# KiCad board N2360.kicad_pcb (continued)
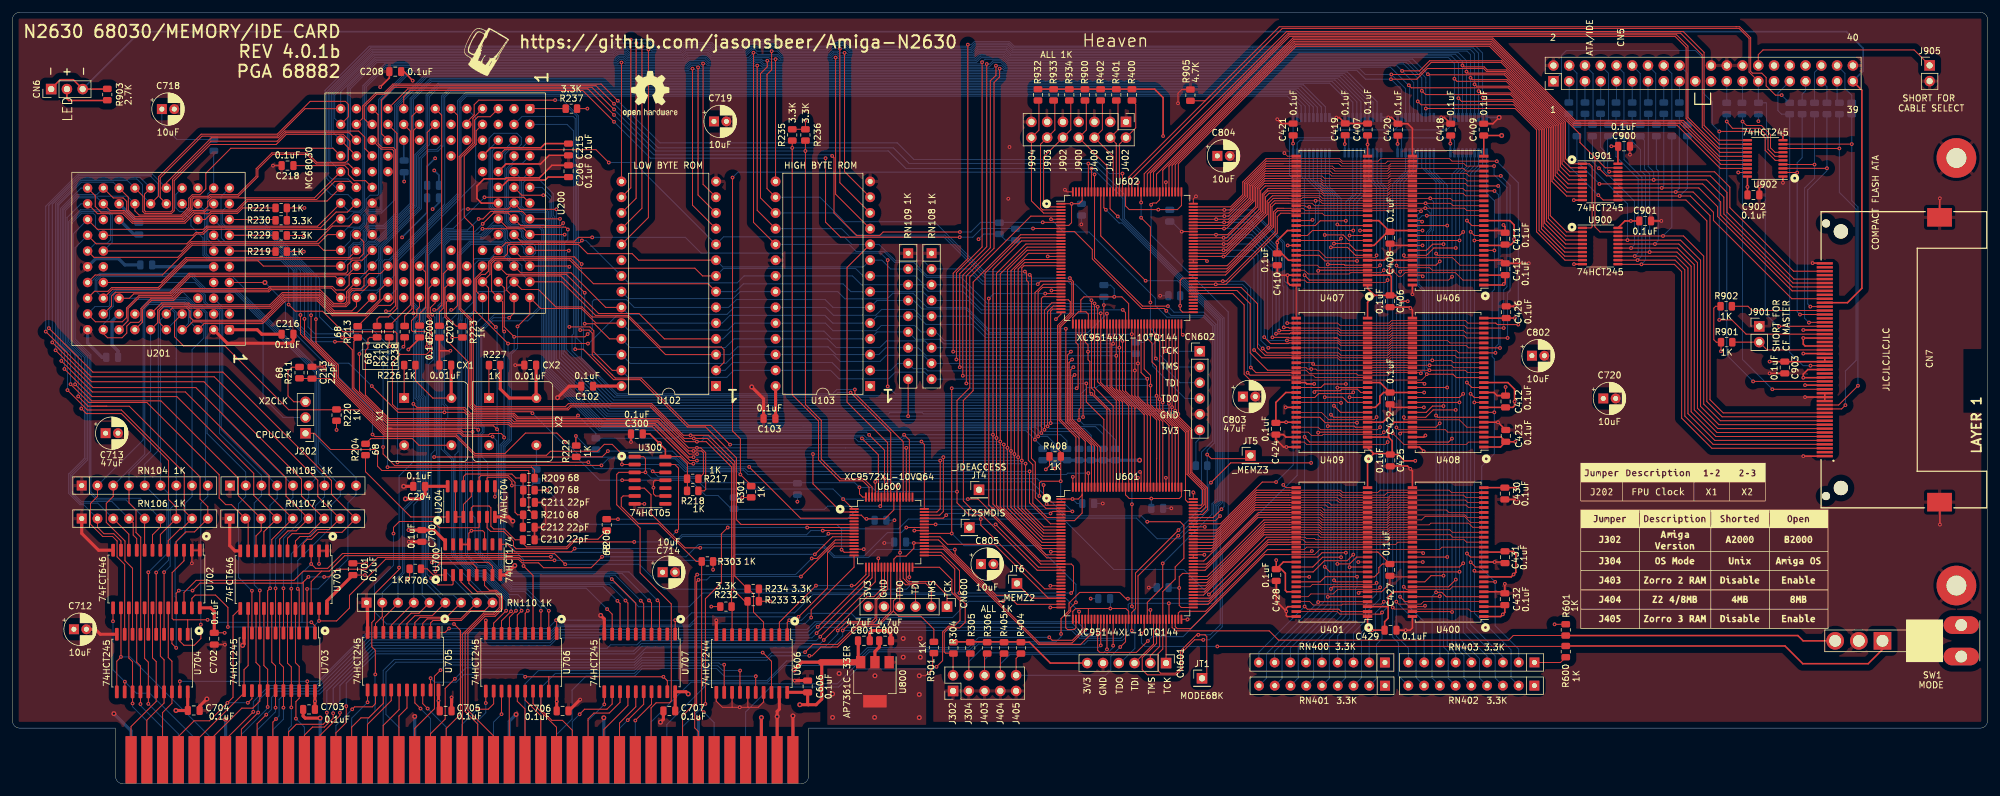
[diagram p0: board, top side]
## Routing (per net, layer and track width the routed paths; a pad name or vN(x,y) marks a point on that pad's centre or on a via; arc(x,y) is an arc through that point) (continued)
  Bottom w0.15: v1(53.81,12.49) 53.81,16.2 58.54,20.94 100.24,20.94 101.47,22.17 131.06,22.17 133.03,24.14 v1(133.03,24.7)
_ADOEH: length 120
  Top w0.15: U701.21 46.89,32.53 ; v1(47.71,33.36) 46.71,32.35 30.24,32.35 v1(29.03,31.15) ; v1(26.82,31.15) 26.39,30.71 U702.21 ; v1(87.37,36.04) 82.1,36.04 81.65,36.48 58.87,36.48 56.99,34.6 52.27,34.6 51.03,33.36 v1(50.25,33.36) ; v1(129.34,37) 132.17,39.83 U600.10
  Bottom w0.15: v1(29.03,31.15) v1(26.82,31.15) ; v1(87.37,36.04) 115.59,36.04 116.55,37 v1(129.34,37) ; v1(47.71,33.36) v1(50.25,33.36)
_ADOEL: length 124.2
  Top w0.15: U704.19 v1(26.99,16.51) ; U600.13 132.46,38.33 131.37,37.24 131.37,31.58 v1(126.7,26.91) ; v1(47.53,16.51) 47.53,15.03
  Bottom w0.15: v1(126.7,26.91) 110.43,26.91 109.1,25.58 87.77,25.58 86.59,24.4 57.21,24.4 57.19,24.41 49.29,16.51 v1(47.53,16.51) v1(26.99,16.51)
_AS: length 235.2
  Top w0.15: v1(109.78,52.69) 109.03,52.69 103.59,58.12 80.66,58.12 80.18,58.59 60.66,58.59 55.94,63.31 v1(55.94,69.34) ; v1(150.05,52.68) 150.05,43.91 149.47,43.33 U600.46 ; R212.1 v1(60.73,70.59) ; U601.12 166.22,40.43 162.1,44.55 162.1,52.68 ; U602.20 163.15,84.08 162.11,83.04 v1(162.11,52.69) ; U201.43 42.29,91.03
  Bottom w0.15: v1(109.78,52.69) v1(162.11,52.69) ; U201.43 40.01,91.03 49.5,81.54 49.5,75.33 51.55,73.28 58.04,73.28 v1(60.73,70.59) 60.2,70.05 56.37,70.05 55.94,69.62 v1(55.94,69.34)
_AVEC: length 156.2
  Top w0.15: 73.23,106.75 74.43,107.94 74.43,109.56 75.17,110.3 v1(87.47,110.3) ; v1(91.52,73.19) 92.96,73.19 93.46,72.7 93.46,69.16 96.71,65.91 96.71,65.9 97.17,65.44 101.37,65.44 109.01,57.8 112.57,57.8 v1(115.67,54.7) ; v1(159.79,54.72) 159.79,44.48 165.84,38.43 U601.16
  Bottom w0.15: v1(87.47,110.3) 88.72,110.3 91.23,107.79 91.23,73.48 v1(91.52,73.19) ; v1(115.67,54.7) 159.77,54.7 v1(159.79,54.72)
_BERR: length 194.6
  Top w0.15: v1(63.02,70.5) 63.22,70.7 R238.1 ; v1(62.07,51.85) v1(92.83,51.87) ; U600.64 137.05,46.24 136.53,46.75 v1(136.53,47.8) ; U300.12 103.37,50.22 v1(103.2,50.39) ; U601.24 165.18,34.43 156.23,43.37 154.19,43.37 152.25,45.31 v1(152.25,47.11) 152.25,61.83 154.31,63.89 154.31,81.74 164.15,91.58 U602.5
  Bottom w0.15: v1(152.25,47.11) 139.25,47.11 138.56,47.8 v1(136.53,47.8) 135.78,48.55 111.14,48.55 110.13,49.56 104.04,49.56 v1(103.2,50.39) 102.77,50.82 93.88,50.82 v1(92.83,51.87) ; v1(63.02,70.5) 62.07,69.55 v1(62.07,51.85)
_BG: length 110.3
  Top w0.15: v1(90.71,70.1) 91.97,70.1 96.89,65.18 101.17,65.18 108.81,57.54 111.73,57.54 116.7,52.58 116.7,42.58 117.45,41.83 U600.6
  Bottom w0.15: U200.15 82.15,107.68 90.37,107.68 90.71,107.34 v1(90.71,70.1)
_BGACK: length 271.3
  Top w0.15: v1(170.65,30.75) 171.02,31.13 171.02,35.09 170.69,35.43 U601.22 165.78,35.43 157.37,43.83 155.06,43.83 153.27,45.62 153.27,61.83 154.85,63.41 154.85,80.93 162.5,88.58 U602.11 ; v1(152.66,30.76) 152.66,34.37 149.7,37.33 U600.34
  Bottom w0.15: 75.65,57.91 76.01,57.57 75.65,57.94 ; 75.65,57.91 75.65,72.94 77.38,74.68 83.06,74.68 85.08,76.7 85.08,87.42 84.85,87.65 83,87.65 82.31,88.34 82.31,89.13 81.51,89.93 80.35,89.93 79.65,90.64 79.65,92.01 79.19,92.47 77.71,92.47 77.09,93.1 77.09,102.61 U200.29 ; 75.65,57.91 76.01,57.55 76.01,56.71 75.65,56.35 75.65,52.76 76.61,51.8 76.61,36.56 80.78,32.39 97.09,32.39 100.93,28.54 109.07,28.54 111.29,30.76 v1(152.66,30.76) 170.64,30.76 v1(170.65,30.75)
_BOSS: length 136.3
  Top w0.15: U300.1 101.71,52.76 102.03,52.45 v1(102.03,50.23) 97.73,50.23 97.41,49.91 97.41,45.01 101.17,41.24 101.17,34.01 106.19,28.99 106.19,13.32 105.91,13.04 103.76,13.04 102.94,12.22 CN700.20 ; v1(154,45.91) 155.66,45.91 165.65,35.93 U601.21 ; 135.48,44.33 v1(133.89,45.91)
  Bottom w0.15: v1(154,45.91) v1(133.89,45.91) 132.26,47.54 111.78,47.54 110.03,49.3 102.97,49.3 v1(102.03,50.23)
_BR: length 120.5
  Top w0.15: U600.52 143.57,55.18 135.79,62.96 v1(135.79,63.6) ; R237.1 83.4,108.93
  Bottom w0.15: v1(135.79,63.6) 132.87,63.6 132.17,62.9 97.51,62.9 91.71,68.69 91.71,71.12 90.97,71.85 90.97,107.68 89.73,108.92 U200.1
_C1: length 58.5
  Top w0.15: CN700.16 108.02,10.95 110.03,12.96 110.03,33.39 v1(110.37,33.73) ; v1(128.83,36.33) 129.65,36.33 132.65,39.33 U600.11
  Bottom w0.15: v1(128.83,36.33) 126.23,33.73 v1(110.37,33.73)
_C3: length 57.1
  Top w0.15: v1(110.59,32.88) 110.29,32.58 110.29,12.85 109.98,12.54 109.98,8.99 110.56,8.4 CN700.14 ; U600.12 132.52,38.83 v1(127.1,33.41)
  Bottom w0.15: v1(127.1,33.41) 112.44,33.41 111.91,32.88 v1(110.59,32.88)
_CBACK: length 124.7
  Top w0.15: v1(131.07,100.93) 131.07,90.61 133.5,88.18 v1(152.7,88.18) ; U200.75 63.07,110.85 64.08,111.85 91.92,111.85 v1(96.97,106.8) ; U602.9 v1(164.51,89.58)
  Bottom w0.15: v1(96.97,106.8) 102.85,100.93 v1(131.07,100.93) ; v1(164.51,89.58) 156.19,89.58 154.79,88.18 v1(152.7,88.18)
_CBREQ: length 125.7
  Top w0.15: v1(96.97,107.9) 92.76,112.11 63.73,112.11 U200.81 ; v1(132.13,101.29) 132.43,101 132.43,92.13 136.1,88.45 139.78,88.45 140.34,89.01 v1(152.72,89.01) ; v1(166.07,90.58) U602.7
  Bottom w0.15: v1(96.97,107.9) 103.4,101.47 131.95,101.47 v1(132.13,101.29) ; v1(166.07,90.58) 156.05,90.58 154.48,89.01 v1(152.72,89.01)
_CIIN: length 179.2
  Top w0.15: v1(59.74,54.31) 59.74,53.2 61.62,51.32 71.5,51.32 71.54,51.36 90.79,51.36 90.79,51.35 v1(94.94,51.35) ; v1(60.2,76.23) 60.21,76.24 60.88,76.24 61.74,77.1 61.74,102.3 61.4,102.64 59.61,102.64 58.94,103.31 58.94,107.96 58.95,107.96 U200.90 ; U601.139 v1(173.42,50.1)
  Bottom w0.15: v1(60.2,76.23) 61.87,74.57 61.87,70.84 59.74,68.72 v1(59.74,54.31) ; v1(173.42,50.1) 170.1,50.1 169.88,49.88 118.55,49.88 117.83,50.6 108.64,50.6 106.82,52.42 96.01,52.42 v1(94.94,51.35)
_CPURESET: length 128.4
  Top w0.15: U600.59 140.07,44.96 v1(139.88,44.77) ; U601.3 166.9,44.93 v1(166.7,45.13) ; v1(83.82,59.77) 83.59,60.01 74.46,60.01 73.5,60.97 73.5,68.08 73.44,68.08 70.07,71.45 70.07,74.91 69.71,75.28 69.71,79.99 U200.61 ; v1(98.28,48.96) 100.29,48.96
  Bottom w0.15: v1(166.7,45.13) 166.34,44.77 v1(139.88,44.77) 131.4,44.77 130.88,44.26 115.96,44.26 113.72,46.5 111.73,46.5 109.26,48.96 v1(98.28,48.96) 94.63,48.96 v1(83.82,59.77)
_CS0: length 123.3
  Top w0.15: U602.120 182.92,98.39 205.64,121.1 268.88,121.1 272.37,117.6 272.37,105.9 275.1,103.18 U902.12
_CS1: length 123.8
  Top w0.15: U902.11 275.05,103.83 272.67,106.2 272.67,118 269.32,121.36 205.38,121.36 182.42,98.4 U602.121
_CSROM: length 102.6
  Top w0.15: v1(169.79,73.4) 169.79,58.37 172.92,55.24 U601.140
  Bottom w0.15: U102.22 99.29,78.27 116.17,78.27 117.29,79.39 U103.22 133.03,79.39 134.2,78.23 140.99,78.23 141.9,79.13 145.16,79.13 147.45,76.85 153.82,76.85 157.26,73.4 v1(169.79,73.4)
_DIOR: length 122.8
  Top w0.15: U902.13 275.05,102.53 270.07,107.5 270.07,119 268.24,120.84 205.75,120.84 183.42,98.52 U602.119
_DIOW: length 122.5
  Top w0.15: U902.14 275.22,101.88 269.77,107.33 269.77,118.8 268,120.58 205.85,120.58 183.92,98.65 U602.118
_DS: length 230.7
  Top w0.15: 129.03,53.19 129.03,48.38 133.59,43.83 U600.2 ; 161.5,53.18 161.5,44.55 166.12,39.93 U601.13 ; 34.98,88.49 42.43,88.49 ; U602.19 163.15,84.58 161.51,82.94 v1(161.51,53.19) ; v1(110.36,53.19) 109.11,53.19 103.92,58.38 80.87,58.38 80.35,58.89 60.72,58.89 56.89,62.73 56.89,69.9 57.3,70.31 v1(57.3,71.04) 57.3,71.74 57.58,72.02 R216.2
  Bottom w0.15: v1(161.51,53.19) v1(129.04,53.19) v1(110.36,53.19) ; 34.98,88.49 41.45,88.49 47.65,82.28 47.65,73.7 48.77,72.58 55.77,72.58 v1(57.3,71.04)
_DSACK0: length 273.7
  Top w0.15: v1(70.72,76.45) 71.05,76.45 71.76,77.16 71.76,107.86 U200.55 ; v1(57.92,64.15) 62.16,59.92 v1(69.63,59.92) 72.87,59.92 73.59,59.19 80.66,59.19 81.22,58.64 104.03,58.64 108.98,53.69 v1(109.78,53.69) 111.07,53.69 111.37,53.38 111.37,50.01 R217.1 ; v1(160.96,53.69) 160.96,82.77 163.77,85.58 U602.17 ; 160.95,53.7 160.95,44.58 166.1,39.43 U601.14
  Bottom w0.15: U201.52 28.38,92.55 30.55,92.55 30.97,92.13 30.97,85.41 31.71,84.67 43.4,84.67 45.28,82.79 45.28,74.15 51.59,67.84 54.23,67.84 v1(57.92,64.15) ; v1(69.63,59.92) 69.63,60.96 69.39,61.2 69.39,75.12 v1(70.72,76.45) ; v1(109.78,53.69) v1(160.96,53.69)
_DSACK1: length 286
  Top w0.15: U602.16 163.55,86.08 160.38,82.91 v1(160.38,54.19) ; R218.1 111.51,47.24 111.74,47.47 111.74,53.39 110.95,54.19 v1(110.33,54.19) 108.98,54.19 104.27,58.9 81.37,58.9 80.77,59.49 73.66,59.49 72.7,60.45 62.02,60.45 61.25,61.21 61.25,68.01 62.5,69.26 ; 160.37,54.18 160.37,44.5 165.95,38.93 U601.15 ; 62.5,69.26 61.97,69.79 61.97,72.65 61.7,72.92 53.29,72.92 49.98,76.23 45.6,76.23 v1(44.52,77.31) ; 62.5,69.26 66.73,69.26 67.28,69.81 67.28,74.93 66.86,75.35 66.86,105.09 U200.64 ; U600.51 v1(144.08,54.19)
  Bottom w0.15: v1(44.52,77.31) 44.52,83.15 43.26,84.41 31.58,84.41 30.71,85.28 30.71,88.07 28.77,90.01 28.77,91.03 27.5,92.3 26.96,92.3 26.34,92.91 26.34,95.09 27.36,96.11 ; v1(110.33,54.19) v1(144.08,54.19) v1(160.38,54.19)
_DTACK: length 261.5
  Top w0.15: v1(50.68,11.46) 50.68,10.16 50.1,9.57 45.75,9.57 44.52,8.35 CN700.66 ; v1(178.16,91.53) 176.92,92.77 U602.132 ; v1(129.62,24.27) 138.57,33.22 U600.19 ; U601.45 v1(174.92,24.03) 174.92,21.51 175.26,21.17 181.17,21.17 v1(183.02,23.02)
  Bottom w0.15: v1(178.16,91.53) 194.77,74.92 194.77,45.46 194.13,44.82 194.13,29.16 188.68,23.71 183.71,23.71 v1(183.02,23.02) ; v1(50.68,11.46) 50.68,14.99 57.98,22.29 86.66,22.29 87.89,23.52 128.87,23.52 v1(129.62,24.27) 130.58,25.23 170.86,25.23 172.37,23.71 174.61,23.71 v1(174.92,24.03)
_ECS: length 136.3
  Top w0.15: U200.104 56.46,107.38 56.46,109.36 58.62,111.51 59.95,111.51 61.33,112.89 94.89,112.89 v1(97.57,110.2) ; U602.128 v1(178.92,98.45)
  Bottom w0.15: v1(178.92,98.45) 176.82,98.45 174.57,100.7 145.32,100.7 142.62,103.4 104.37,103.4 v1(97.57,110.2)
_EM0CS: length 52.9
  Top w0.11: U406.19 234.23,94.86 233.83,95.26 222.04,95.26 221.63,94.86 U407.19 211.37,94.86 210.96,95.26 205.88,95.26
  Top w0.15: 205.88,95.26 202.56,95.26 201.98,94.68 201.98,92.04 195.52,85.58 U602.92
_EM1CS: length 56
  Top w0.11: U409.19 214,68.72 213.58,69.13 213.57,69.12 205.79,69.12 ; 218.54,68.72 221.74,68.72 222.13,69.11 232.49,69.11 232.88,68.72 237.27,68.72
  Top w0.15: 205.79,69.12 201.92,69.12 200.68,70.36 200.68,77.44 198.05,80.08 U602.81
_EMCAS: length 99.6
  Top w0.11: 218.54,67.12 221.92,67.12 222.31,67.51 v1(228.43,67.51) 231.94,67.51 232.33,67.12 237.27,67.12 ; 205.77,93.66 209.47,93.66 209.88,93.26 U407.17 221.81,93.26 222.2,93.65 v1(227.77,93.65) 231.83,93.65 232.23,93.26 U406.17
  Top w0.15: 205.77,93.66 203.55,93.66 203.02,93.13 203.02,89.98 195.62,82.58 U602.86
  Bottom w0.15: v1(227.77,93.65) 228.77,92.65 228.77,89.43 228.3,88.96 228.3,67.64 v1(228.43,67.51)
_EMENA: length 143.1
  Top w0.15: v1(191.94,23.2) 190.54,23.2 188.56,21.22 188.56,18.49 187.62,17.55 182.93,17.55 182.1,18.38 182.1,20.32 184.42,22.64 U601.64
  Bottom w0.15: U420.19 215.41,104.06 215.26,104.2 ; 223.64,104.2 232.01,104.2 232.42,103.79 U418.19 ; 223.64,104.2 215.26,104.2 ; 223.64,104.2 223.92,103.93 U419.19 ; v1(191.94,23.2) 192.9,23.2 195,25.3 195,37.66 207.08,49.73 U421.19 207.08,103.37 207.53,103.83 213.14,103.83 213.51,104.2 215.26,104.2
_EMLLBE: length 73.1
  Top w0.11: U407.15 211.5,91.66 211.11,92.05 205.8,92.05 ; U409.15 210.01,65.52 209.6,65.92 205.81,65.92
  Top w0.15: 205.81,65.92 199.47,65.92 v1(199.09,66.3) ; U602.82 v1(193.96,80.58) 195.6,80.58 203.87,88.85 203.87,91.49 204.43,92.05 205.8,92.05
  Bottom w0.15: v1(193.96,80.58) 198.24,80.58 199.09,79.72 v1(199.09,66.3)
_EMLMBE: length 48.6
  Top w0.15: U407.39 203.94,92.46 203.54,92.06 203.54,89.03 195.59,81.08 v1(195.1,81.08) U602.83 ; U409.39 200.44,66.32 v1(199.6,67.15)
  Bottom w0.15: v1(199.6,67.15) 199.6,80.04 198.57,81.08 v1(195.1,81.08)
_EMRAS: length 99.4
  Top w0.11: 237.27,67.92 232.27,67.92 231.88,68.31 v1(228.86,68.31) 222.2,68.31 221.8,67.92 218.54,67.92 ; 205.71,94.45 207.84,94.45 207.95,94.56 210.56,94.56 211.07,94.06 U407.18 221.7,94.06 222.09,94.45 231.77,94.45 232.16,94.06 U406.18
  Top w0.15: U602.88 195.79,83.58 202.5,90.29 202.5,93.72 203.23,94.45 205.71,94.45
  Bottom w0.15: v1(228.86,68.31) 228.86,89.12 229.06,89.32 229.06,93.92 v1(228.53,94.45)
_EMUMBE: length 96.1
  Top w0.11: U406.15 v1(227.98,91.66) ; 205.82,65.12 227.13,65.12 227.98,65.97 v1(227.98,66.08)
  Top w0.15: U602.79 196.71,79.08 198.53,77.25 198.53,66.08 199.49,65.12 205.82,65.12 ; U408.15 232.75,65.52 232.19,66.07 227.99,66.07
  Bottom w0.15: v1(227.98,91.66) 227.22,91.66 226.72,91.16 226.72,80.57 227.62,79.66 227.62,66.43 v1(227.98,66.08)
_EMUUBE: length 75.5
  Top w0.11: v1(227.02,66.22) 226.92,66.32 U408.39 222.19,66.32 221.78,65.91 216.87,65.91 216.64,66.14 209.07,66.14 208.5,66.71 205.79,66.71 ; v1(227.05,92.38) 226.97,92.46 U406.39
  Top w0.15: U602.80 197.37,79.58 199.51,77.43 199.51,69.51 202.31,66.71 205.79,66.71
  Bottom w0.15: v1(227.02,66.22) 227.36,66.56 227.36,79.53 226.46,80.44 226.46,91.79 v1(227.05,92.38)
_EMWE: length 99.2
  Top w0.11: U406.16 234.45,92.46 234.04,92.86 v1(227.73,92.86) 222.08,92.86 221.68,92.46 U407.16 208.41,92.46 208.02,92.85 204.94,92.85 ; 218.54,66.32 221.78,66.32 222.18,66.71 v1(228.4,66.71) 234.16,66.71 234.55,66.32 237.27,66.32
  Top w0.15: U602.85 195.53,82.08 203.28,89.83 203.28,92.27 203.86,92.85 204.94,92.85
  Bottom w0.15: v1(228.4,66.71) 227.91,67.2 227.91,88.93 228.51,89.53 228.51,92.08 v1(227.73,92.86)
_FPUCS: length 177.6
  Top w0.15: v1(109.76,51.64) 109.13,51.64 103.16,57.6 80.31,57.6 79.92,58 60.52,58 54.78,63.74 54.78,70.02 53.48,71.31 v1(51.98,71.31) ; U601.10 166.27,41.43 163.31,44.4 v1(163.31,51.64)
  Bottom w0.15: U201.51 31.23,92.24 31.23,85.52 31.82,84.93 43.5,84.93 45.54,82.9 45.54,74.26 48.48,71.31 v1(51.98,71.31) ; v1(109.76,51.64) v1(163.31,51.64)
_GRESET: length 303.3
  Top w0.15: 100.29,51.5 v1(98.24,51.5) 98.24,53.17 96.66,54.75 95.4,54.75 94.28,53.63 86.73,53.63 86.08,52.98 74.49,52.98 71.47,56 58.38,56 v1(58.04,56.34) ; v1(186.25,77.06) 182.17,77.06 174.42,84.8 U602.137 v1(174.42,98.31) ; U601.61 182.92,29.24 185.41,31.73 v1(185.41,35.53) ; U201.27 v2(40.71,80.87) ; v1(116.07,97.8) 116.07,56.9 117.33,55.64 v1(117.33,49.88) 119.07,48.14
  Bottom w0.15: v1(185.41,35.53) 193.35,43.47 193.35,45.15 193.99,45.78 193.99,74.1 192.02,76.07 187.23,76.07 v1(186.25,77.06) ; v1(58.04,56.34) 58.04,60.15 44.01,74.19 44.01,77.56 v2(40.71,80.87) ; v1(116.07,97.8) 116.95,98.68 174.06,98.68 v1(174.42,98.31) ; v1(98.24,51.5) 107.29,51.5 108.45,50.34 116.87,50.34 v1(117.33,49.88)
_HALT: length 225.5
  Top w0.15: v1(62.33,34.86) 62.33,34.56 58.37,30.6 58.37,26.45 57.93,26 57.93,22.09 58.49,21.52 v1(58.49,17.62) ; v1(64.63,75.9) 64.67,75.94 64.67,105.43 U200.70 ; v1(166.21,48.19) 166.21,46.63 167.41,45.43 U601.2 ; U600.58 v1(140.57,49.22) 140.57,53.8 v1(138.09,56.28) ; v1(64.63,61.29) 65.21,60.71 72.89,60.71 73.85,59.75 80.88,59.75 81.47,59.16 90.92,59.16 v1(91.16,59.4)
  Bottom w0.15: v1(62.33,34.86) 62.33,49.66 64.63,51.96 64.63,61.28 v1(64.63,61.29) v1(64.63,75.9) ; v1(166.21,48.19) 165.17,49.22 v1(140.57,49.22) ; v1(91.16,59.4) 94.04,56.52 R228.1 107.07,55.74 108.04,56.71 137.66,56.71 v1(138.09,56.28) ; v1(58.49,17.62) 58.44,17.57 58.44,11.65 57.22,10.43 CN700.55
_IDEACCESS: length 77.4
  Top w0.15: v1(165.53,46.41) 165.53,48.53 165.8,48.8 v1(168.97,48.8) 168.97,53.5 168.45,54.02 168.45,73.92 170.5,75.97 170.5,77.77 170.2,78.08 U602.32 ; v1(150.52,43.33) 150.02,42.83 U600.45 ; v1(170.85,43.93) U601.5 167.65,43.93 v1(167.32,43.6)
  Bottom w0.15: JT4.1 164.53,47.41 v1(165.53,46.41) ; v1(167.32,43.6) 150.8,43.6 v1(150.52,43.33) ; v1(168.97,48.8) 168.97,45.8 v1(170.85,43.93)
_IDEDIS: length 17.2
  Top w0.15: U602.133 176.42,99.69 CJ2.8 173.09,105.47 173.09,110.03 R900.2
_IDEEN: length 108.3
  Top w0.15: U602.111 187.42,99.89 206.79,119.25 238.22,119.25 252.67,104.8 252.67,103.45 254.9,101.23 ; 254.9,101.23 255.07,101.05 255.07,89.85 255.9,89.03 U900.19 ; 254.9,101.23 256.75,99.38 U901.19
_IDERST: length 115.1
  Top w0.15: U602.117 184.42,98.35 206.39,120.32 238.62,120.32 251.91,107.03 269.32,107.03 275.12,101.23 U902.15
_INT2: length 184.7
  Top w0.15: v1(179.8,29.84) 179.48,29.84 178.47,30.85 172.02,30.85 170.31,29.14 170.31,27.92 169.02,26.63 v1(169.02,24.15) ; U602.135 175.42,88.38 v1(182.65,81.15)
  Bottom w0.15: v1(169.02,24.15) 169.02,23.7 168.19,22.87 155.58,22.87 154.29,21.58 137.96,21.58 135.44,19.06 124.43,19.06 121.74,16.37 109.37,16.37 102.94,9.94 CN700.19 ; v1(182.65,81.15) 187.81,81.15 194.25,74.71 194.25,45.68 193.61,45.04 193.61,30.34 193.11,29.84 v1(179.8,29.84)
_IPL0: length 58.2
  Top w0.15: v1(67.62,35.71) 76.73,35.71 77.38,35.07 U700.7 ; U200.74 65.61,76.93 65.18,76.5 65.18,75.57 64.32,74.71 64.32,73.16 64.52,72.95 66.62,72.95 66.78,72.79 v1(66.78,70.47)
  Bottom w0.15: v1(66.78,70.47) 67.22,70.47 67.83,69.87 67.83,68.41 67.08,67.66 67.08,36.25 v1(67.62,35.71)
_IPL1: length 54.4
  Top w0.15: U700.5 74.84,34.84 74.22,35.45 68.79,35.45 68.18,34.84 v1(68.18,34.21) ; v1(67.67,75.67) 67.67,75.75 67.38,76.04 67.38,76.8 68.15,77.58 U200.68
  Bottom w0.15: v1(68.18,34.21) 68.18,38.93 67.47,39.64 67.47,53.18 68.09,53.8 68.09,75.26 v1(67.67,75.67)
_IPL2: length 54.5
  Top w0.15: U700.2 71.03,32.21 70.88,32.06 68.58,32.06 v1(67.51,33.13) ; v1(67.25,68.96) 67.54,69.25 67.54,75.03 67.12,75.46 67.12,79.95 U200.67
  Bottom w0.15: v1(67.51,33.13) 66.82,33.82 66.82,68.53 v1(67.25,68.96)
_IVMA: length 20.3
  Top w0.15: U600.17 137.57,33.73 135.8,31.95 v1(135.27,31.95) ; v1(129.52,31.95) 123.62,26.05 U606.2
  Bottom w0.15: v1(135.27,31.95) v1(129.52,31.95)
_LDS: length 185.2
  Top w0.15: U601.43 v1(173.92,24.2) 172.15,22.43 165.45,22.43 150.05,37.83 U600.35 ; v1(40.92,11.13) 39.44,9.65 CN700.70
  Bottom w0.15: v1(40.92,11.13) 41.78,11.99 41.78,13.91 42.79,14.92 49.34,14.92 57.62,23.2 86.7,23.2 87.92,24.42 128.21,24.42 129.65,25.86 170.85,25.86 172.5,24.2 v1(173.92,24.2)
_MEMZ2: length 34.2
  Top w0.15: U600.39 149.51,39.83 150.71,38.63 158.28,38.63 166.97,29.93 U601.33 164.29,29.93 JT6.1
_MEMZ3: length 91.6
  Top w0.15: U602.10 171.18,89.08 174.06,86.2 174.06,84.68 182.06,76.67 185.62,76.67 v1(186,76.29) ; v1(192.59,53.1) 193.24,52.44 199.5,52.44 ; U601.58 181.42,33.51 v1(187.92,40.01)
  Bottom w0.15: v1(187.92,40.01) 192.59,44.68 R407.2 v1(192.59,53.1) 192.59,53.82 193.73,54.96 193.73,73.89 192.09,75.53 186.76,75.53 v1(186,76.29)
_MODE0: length 127.1
  Top w0.15: v1(181.97,24.2) 182.42,24.65 U601.60 ; v1(194.21,22.14) 250.3,22.14
  Top w0.25: R600.2 285.71,22.22 288.57,19.35 299.12,19.35 301.42,21.65 SW1.1
  Bottom w0.15: v1(194.21,22.14) 182.53,22.14 181.97,22.7 v1(181.97,24.2)
_MODE1: length 109.7
  Top w0.15: R601.2 241.91,23.89 241.17,23.15 204.07,23.15 202.57,24.65 187.47,24.65 186.92,25.2 U601.69
  Top w0.25: R601.2 287.79,23.89 288.63,23.04 SW1.3
_OVR: length 177
  Top w0.15: v1(187.96,40.91) 181.01,33.97 181.01,28.22 180.42,27.63 U601.56 v1(180.42,24.7) ; U602.6 v1(167.41,91.08)
  Bottom w0.15: v1(180.42,24.7) 180.42,24.58 178.92,23.08 173.34,23.08 172.78,22.52 155.68,22.52 154.43,21.27 138.12,21.27 132.96,16.11 112.04,16.11 105.48,9.55 CN700.17 ; v1(187.96,40.91) 191.65,44.61 191.65,53.48 193.47,55.3 193.47,73.78 191.99,75.27 186.1,75.27 184.22,77.15 184.22,78.33 173.53,89.01 169.47,89.01 v1(167.41,91.08)
_RAM8: length 29.4
  Top w0.15: CJ1.8 159.24,20.4 R405.2 ; U601.50 v1(177.42,22.26)
  Bottom w0.15: v1(177.42,22.26) 177.42,21.98 176.27,20.82 160.77,20.82 159.24,19.29 CJ1.8
_RESET: length 249.5
  Top w0.15: v1(176.25,92.61) 175.92,92.93 U602.134 ; U601.68 186.42,29.08 v1(186.4,29.1) ; v1(133.83,24.71) 135.04,25.92 138.79,25.92 139.32,26.45 139.32,29.63 141.07,31.38 U600.24
  Bottom w0.15: v1(133.83,24.71) 170.75,24.71 172,23.45 178.65,23.45 179.85,24.65 179.85,28.9 180.05,29.1 v1(186.4,29.1) 193.61,29.1 193.87,29.36 193.87,44.93 194.51,45.57 194.51,74.82 178.86,90.47 178.39,90.47 v1(176.25,92.61) ; CN700.53 59.76,18.25 61.55,20.04 100.26,20.04 102.13,21.91 131.89,21.91 133.83,23.85 133.83,24.7
_SENSE: length 165.3
  Top w0.15: v1(163.95,50.39) 163.95,45.3 167.32,41.93 U601.9 ; U201.14 26.12,74.55 26.12,72.1 27.6,70.63 34.25,70.63 44.55,60.32 55.82,60.32 59.88,56.26 71.57,56.26 74.58,53.25 79.37,53.25 82.69,56.57 87.75,56.57 v1(89.2,55.13)
  Bottom w0.15: v1(163.95,50.39) 118.51,50.39 118.03,50.86 108.74,50.86 106.92,52.68 91.64,52.68 v1(89.2,55.13)
_STERM: length 214.1
  Top w0.15: U600.4 127.03,42.83 v1(118.75,51.1) ; U200.63 69.19,107.88 69.19,77.22 68.42,76.45 v1(67.97,76.45) ; v1(95.98,53.66) 95.05,52.73 R222.1 ; U602.12 162.47,88.08 156.77,82.38 v1(156.77,51.11) ; v1(67.97,52.7) 90.86,52.7
  Bottom w0.15: v1(67.97,52.7) 68.35,53.08 68.35,76.08 v1(67.97,76.45) ; 156.77,51.12 108.93,51.12 106.39,53.66 v1(95.98,53.66)
_UDS: length 184.8
  Top w0.15: v1(39.61,11.47) 36.9,8.76 CN700.72 ; U601.41 v1(172.92,24.83) 170.78,22.69 165.56,22.69 149.92,38.33 U600.36
  Bottom w0.15: v1(172.92,24.83) 171.63,26.12 129.34,26.12 128.09,24.87 87.86,24.87 86.68,23.69 58,23.69 57.99,23.69 57.47,23.69 49.16,15.37 41.61,15.37 39.61,13.37 v1(39.61,11.47)
_VMA: length 84
  Top w0.15: 120.94,21.15 122.35,19.74 U606.18
  Bottom w0.15: CN700.51 62.3,9.07 60.21,11.16 60.21,18.01 61.79,19.59 100.27,19.59 101.82,21.14 v1(120.93,21.14)
_VPA: length 107
  Top w0.15: 141.99,27.86 142.87,26.98 146.47,26.98 148.52,24.92 R501.2 ; 141.99,27.86 139.54,25.4 136.37,25.4 133.01,22.04 130.31,22.04 128.9,20.63 v1(128.46,20.63) ; 141.99,27.86 141.99,29.47 142.57,30.05 U600.27 ; CN700.48 67.38,8.04 69.76,10.41 69.76,15.36 v1(71.32,16.92)
  Bottom w0.15: v1(128.46,20.63) 122.32,20.63 121.61,19.92 101.46,19.92 100.22,18.69 73.09,18.69 v1(71.32,16.92)
_Z3DIS: length 28.6
  Top w0.15: v1(178.56,22.04) 179.42,22.9 U601.54 ; R404.2 161.78,20.22 CJ1.10
  Bottom w0.15: CJ1.10 176.22,17.49 177.04,18.31 177.04,20.52 v1(178.56,22.04)
_ZCAS: length 51.4
  Top w0.11: 237.09,39.76 232.16,39.76 231.76,40.16 222.14,40.16 221.74,39.76 218.36,39.76 ; 205.79,40.16 210.43,40.16 210.84,39.76 U401.17
  Top w0.15: 205.79,40.16 201.73,40.16 192,30.43 U601.77
_ZCS: length 51.4
  Top w0.11: 218.36,41.36 221.56,41.36 221.96,41.76 228.35,41.76 228.63,42.04 234.71,42.04 235.38,41.36 237.09,41.36 ; 205.88,41.76 210.62,41.76 211.03,41.36 U401.19
  Top w0.15: U601.81 192.53,32.43 201.86,41.76 205.88,41.76
_ZLLBE: length 35.9
  Top w0.11: 205.8,37.76 208.21,37.76 208.61,38.16 U401.15
  Top w0.15: 205.8,37.76 202.29,37.76 192.34,27.81 188.2,27.81 187.92,27.53 U601.71
_ZLMBE: length 20.5
  Top w0.15: U601.75 192.84,29.43 202.37,38.96 U401.39
_ZRAS: length 51.3
  Top w0.11: 205.86,40.95 210.6,40.95 211,40.56 U401.18 ; 237.09,40.56 232.09,40.56 231.7,40.96 222.02,40.96 221.63,40.56 218.36,40.56
  Top w0.15: U601.79 192.26,31.43 201.79,40.95 205.86,40.95
_ZUMBE: length 56.5
  Top w0.11: U400.15 230.43,38.16 230.04,37.77 210.7,37.77 209.88,36.95 205.83,36.95
  Top w0.15: 205.83,36.95 201.85,36.95 189.9,25 187.75,25 187.42,25.33 U601.70
_ZUUBE: length 39.5
  Top w0.11: 205.89,38.57 222.93,38.57 223.32,38.96 U400.39
  Top w0.15: U601.74 192.71,28.93 202.35,38.57 205.89,38.57
_ZWE: length 51.2
  Top w0.11: 237.09,38.96 234.38,38.96 233.99,39.36 222,39.36 221.61,38.96 218.36,38.96 ; U401.16 208.44,38.96 208.04,39.35 205.73,39.35
  Top w0.15: U601.76 192.97,29.93 202.39,39.35 205.73,39.35
A0: length 185
  Top w0.15: U601.133 176.42,60.38 v1(173.92,62.88) 173.66,63.14 173.66,68.11 173.37,68.4 v1(173.37,69.7) 173.37,70.8 172.92,71.25 U602.41 ; U600.56 141.57,56.63 v1(135.1,63.1)
  Bottom w0.15: v1(173.37,69.7) 180.76,69.7 ; v1(173.92,62.88) 173.68,62.64 135.57,62.64 v1(135.1,63.1) 133.07,63.1 132.61,62.64 97.4,62.64 90.2,69.83 90.2,72.35 90.46,72.6 90.46,105.32 89.4,106.38 U200.2
A1: length 376.4
  Top w0.15: U601.132 176.92,60.25 174.44,62.73 174.44,63.33 173.92,63.84 U602.43 v1(173.92,78) ; v1(75.09,57.09) 74.83,57.35 61.18,57.35 ; U200.30 79.32,102.3 94.05,102.3 v1(96.12,100.23) ; 61.18,57.35 61.02,57.35 ; 61.18,57.35 60.27,57.35 52.25,65.36 52.25,67.46 48.14,71.57 v1(48.14,75.59) ; U600.57 141.07,55.02 134.53,61.56 134.53,83.29 U103.10 ; 61.02,57.35 60.43,57.35 61.02,57.35 ; U707.8 97.94,29.08 v1(97.52,29.5)
  Bottom w0.15: 78.68,101.3 80.09,102.7 81.57,102.7 82.02,103.15 82.02,104.25 81.32,104.95 77.62,104.95 76.83,104.16 76.83,92.99 77.61,92.21 79.08,92.21 79.39,91.9 79.39,90.53 80.25,89.67 81.4,89.67 82.05,89.02 82.05,88.23 82.89,87.39 84.74,87.39 84.82,87.31 84.82,76.85 83.72,75.75 77.72,75.75 75.09,73.12 75.09,71.68 75.09,57.28 v1(75.09,57.09) 75.09,37.29 80.55,31.83 95.19,31.83 v1(97.52,29.5) ; 34.98,96.11 33.62,94.75 33.62,90.3 34.35,89.58 40.73,89.58 48.14,82.17 v1(48.14,75.59) ; v1(173.92,78) 171.32,80.6 170.57,80.6 170.07,81.1 156.37,81.1 154.42,83.05 RN108.2 146.84,84.36 142.34,84.36 139.69,87.01 U103.10 135.29,87.01 134.07,88.23 114.63,88.23 U102.10 100.19,100.23 v1(96.12,100.23)
A2: length 278.1
  Top w0.15: v1(47.07,75) 47.07,72.27 51.99,67.35 51.99,65.26 60.16,57.09 72.32,57.09 72.64,56.77 v1(74.17,56.77) ; v1(174.42,77.48) U602.44 174.42,63.93 177.42,60.93 U601.131 ; U102.9 100.93,84.47 99.88,85.52 92.7,85.52 91.22,87.01 80.02,87.01 80,87.03 79.8,86.83 79.8,85.53 79.27,85 77.57,85 76.72,84.15 76.72,82.7 76.2,82.18 75.6,82.18 74.83,81.41 74.83,79.39 U200.48 ; v1(95.86,28.16) 96.67,27.35 U707.9
  Bottom w0.15: v1(95.86,28.16) 92.49,31.53 80.48,31.53 74.57,37.44 74.57,42.89 74.17,43.29 v1(74.17,56.77) 74.17,57.14 74.83,57.81 74.83,74.36 75.77,75.3 U200.48 ; U201.44 33.67,89.79 33.67,88.06 34.3,87.44 42.13,87.44 47.07,82.5 v1(47.07,75) ; U102.9 114.5,83.38 137.16,83.38 U103.9 140.14,84.47 141.57,83.05 RN109.2 146,83.05 147.34,81.7 152.91,81.7 157.14,77.48 v1(174.42,77.48)
